# Altium PCB PCB_CAR.PcbDoc (part 3 of 3)
Units mil, origin at the board's own origin, x right, y up, seen from the top; angles counter-clockwise.
Board outline 3935 x 3900 mil, 4 copper layers (Top Layer, GND, PWR, Bottom Layer), stack 23.756 mil thick; 283 components, 268 nets, 1058 pads, 538 vias.
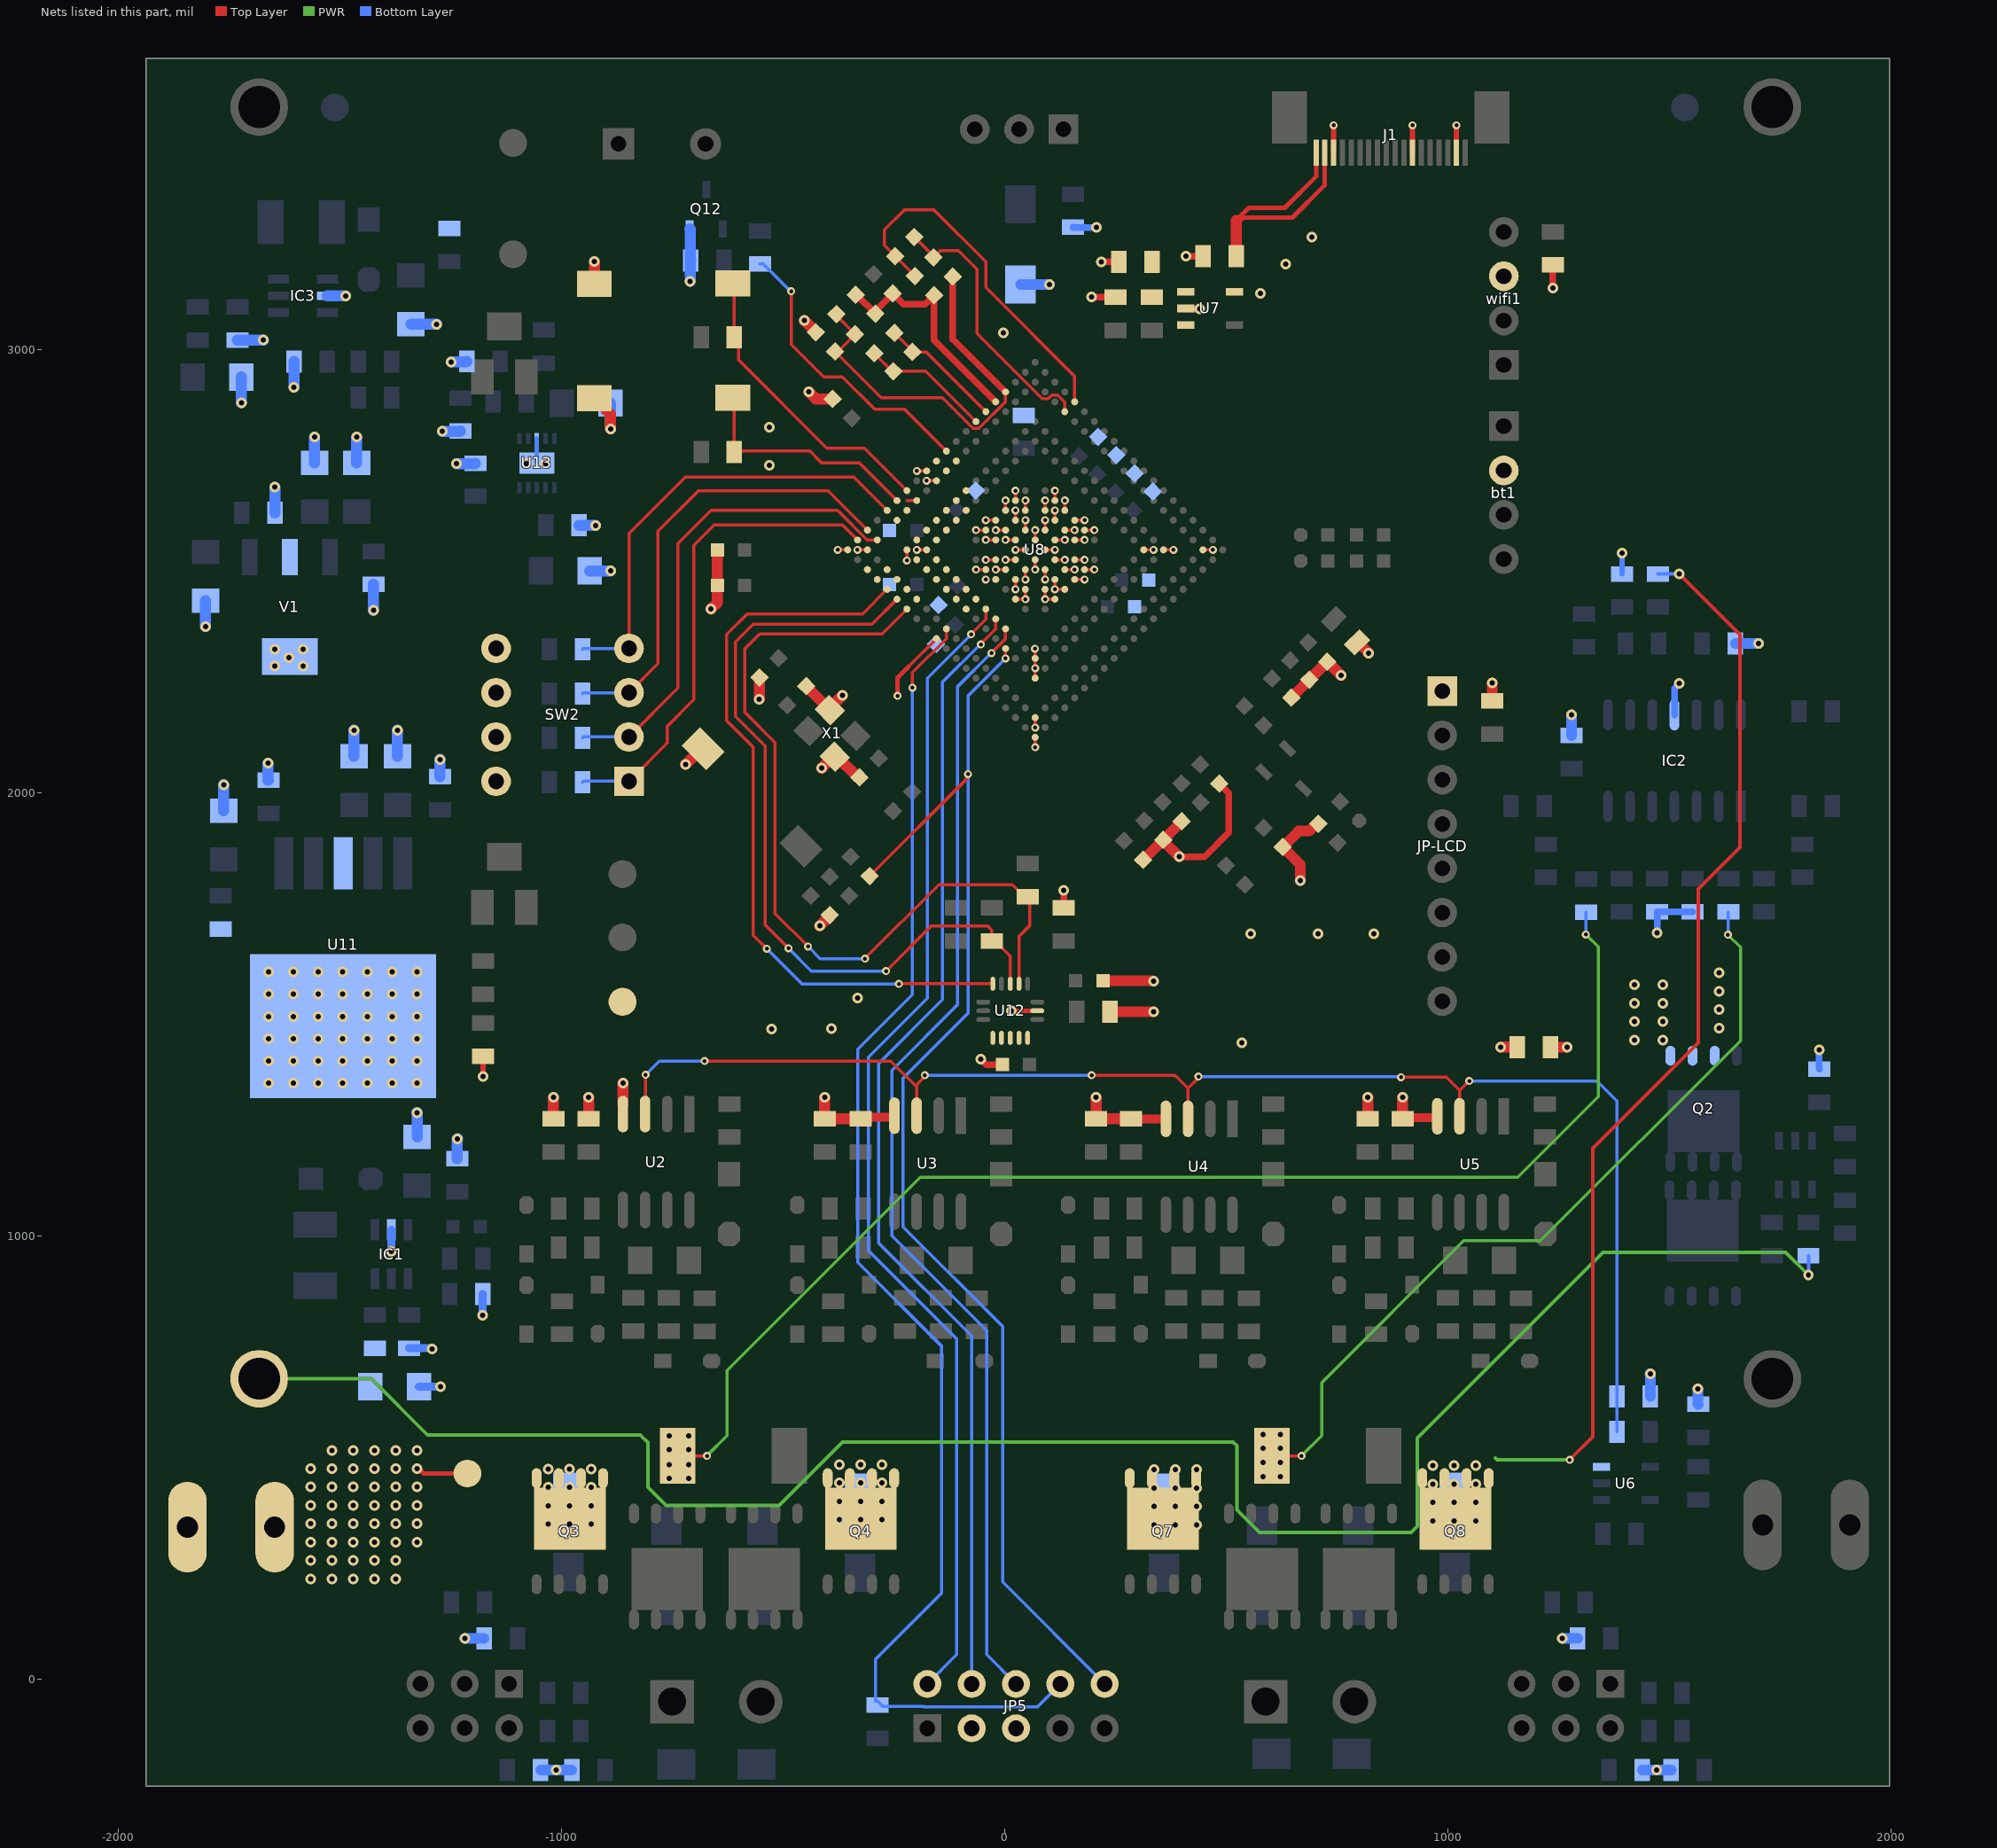
[diagram p5: the nets of this part, all layers, seen from the top]

## Via types
v1: diameter 24, hole 12, Top Layer to Bottom Layer, 381 vias
v2: diameter 18, hole 9, Top Layer to Bottom Layer, 157 vias

## Nets (pads, with @x,y where several pads share a name; then routed paths per layer and width w, separated by ;. In a path a pad name is that pad's centre, name@x,y a point inside that pad or via, vN(x,y) a via of type N, cw(c..) or ccw(c..) an arc to the next point about the centre after c; other vN are vias at no path point) (continued)
P21_7: JP5.6 U8.H16 | length 2604.2
  Top Layer w7: v2(-30.45,2315.63) -30.45,2315.81 1.47,2347.73 U8.H16@1.47,2370.53
  Bottom Layer w7: v2(-30.45,2315.63) -31.15,2315.63 -107.41,2239.37 -107.41,2175.75 -107.41,1521.59 -255,1374 -255,1000.6 -41.26,786.86 -41.26,55.26 JP5.6@25,-11
P22_0: R87.1 U8.P20 U12.2 | length 1931.1
  Top Layer w7: v2(-444.44,1653.41) -519.07,1728.04 -519.07,2114.07 -587.53,2182.53 -587.53,2325.19 -553.6,2359.12 -277.2,2359.12 U8.P20@-221.24,2415.07 ; v2(-315.81,1625.88) -315.81,1626.61 -149.33,1793.09 17.07,1793.09 44.16,1765.99 R87.1@51.66,1765.99 55.58,1762.08 55.58,1700.18 31.69,1676.29 U12.2@31.69,1569.34
  Bottom Layer w7: v2(-444.44,1653.41) -416.91,1625.88 v2(-315.81,1625.88)
P22_1: U8.P19
P22_2: R86.1 U8.R20 U12.3 | length 1814.9
  Top Layer w7: v2(-488.5,1649.48) -541.2,1702.18 -541.2,2105.7 -608.22,2172.72 -608.22,2340.69 -567.91,2381 -299.85,2381 U8.R20@-243.51,2437.34 ; v2(-268.11,1598.08) -166.01,1700.18 -39.18,1700.18 -29.67,1690.67 R86.1@-29.67,1665.99 -22.17,1665.99 12.01,1631.81 U12.3@12.01,1569.34
  Bottom Layer w7: v2(-488.5,1649.48) -437.1,1598.08 v2(-268.11,1598.08)
P22_3: U8.R19
P22_4: U8.P16
P22_5: U8.P17
P22_6: U8.N16
P22_7: U8.N17
P22_8: U8.M16
P22_9: U8.M17
P22_10: U8.L16
P22_11: U8.L17
P23_0: U8.V20
P23_1: U8.U19 | length 0.1
  Top Layer w7: U8.U19@-265.82,2502.42 U8.U19@-265.78,2502.46
P23_2: U8.U20
P23_3: U8.T19
P23_4: U8.T20 U12.5 | length 1694.3
  Top Layer w7: v2(-537.28,1648.3) -567.91,1678.93 -567.91,2103.28 -628,2163.37 -628,2357.91 -581.7,2404.22 -321.18,2404.22 U8.T20@-265.78,2459.61 ; v2(-239.44,1569.17) -239.36,1569.25 -27.45,1569.25 U12.5@-27.36,1569.34
  Bottom Layer w7: v2(-537.28,1648.3) -458.14,1569.17 v2(-239.44,1569.17)
P23_5: U8.T17
P23_6: U8.R17
P23_7: U8.R16
P32_2: R68.2 SW2.3 U8.Y18 | length 1045
  Top Layer w7: SW2.3@-848.42,2226.37 -783,2291.79 -783,2591 -691.68,2682.32 -399.41,2682.32 U8.Y18@-310.33,2593.24
  Bottom Layer w7: R68.2@-953.4,2224.26 -951.29,2226.37 SW2.3@-848.42,2226.37
P32_3: R66.2 SW2.1 U8.Y19 | length 1101.7
  Top Layer w7: SW2.1@-848.42,2026.37 -762.16,2112.62 -762.16,2150.45 -702,2210.61 -702,2559 -656,2605 -366.63,2605 U8.Y19@-332.6,2570.97
  Bottom Layer w7: R66.2@-953.4,2024.26 -951.29,2026.37 SW2.1@-848.42,2026.37
P32_4: R67.2 SW2.2 U8.W18 | length 1096.9
  Top Layer w7: SW2.2@-848.42,2126.37 -738,2236.79 -738,2563.09 -663.31,2637.78 -377.67,2637.78 -310.85,2570.97 U8.W18@-288.05,2570.97
  Bottom Layer w7: R67.2@-953.4,2124.26 -951.29,2126.37 SW2.2@-848.42,2126.37
P32_5: U8.T15
P32_6: U8.U15
P32_7: U8.U16
P33_0: U8.W10
P33_1: R78.2 U8.Y10 | length 666.2
  Top Layer w7: v2(-482.22,3132.53) -482.22,3012.22 -409,2939 -367,2939 -294.42,2866.42 -227.17,2866.42 U8.Y10@-132.16,2771.41
  Bottom Layer w7: R78.2@-553,3193.6 -545.5,3193.6 -484.43,3132.53 v2(-482.22,3132.53)
P33_2: U8.W11
P33_3: U8.Y11
P33_4: U8.W12 | length 22.3
  Top Layer w7: v2(-176.7,2704.59) U8.W12@-154.43,2704.59
P33_5: U8.Y12 | length 22.3
  Top Layer w7: v2(-198.97,2726.87) U8.Y12@-176.7,2726.87
P33_8: U8.W14 | length 22.3
  Top Layer w7: -221.24,2660.05 U8.W14@-198.97,2660.05
P33_9: R72.2 SW3.1 U8.Y14 | length 680.1
  Top Layer w7: SW3.1@-614.27,3149.84 -610.78,3146.35 R72.2@-610.78,3028.92 -601.38,3019.53 -601.38,2977.45 -402.24,2778.3 -317.22,2778.3 U8.Y14@-221.24,2682.32
P33_10: U8.W15
P33_11: R73.2 SW4.1 U8.Y15 | length 538.9
  Top Layer w7: SW4.1@-614.27,2892.04 -610.78,2888.55 -610.78,2771.81 R73.2@-610.78,2769.25 -608.22,2771.81 -440.3,2771.81 -413.55,2745.07 -328.53,2745.07 U8.Y15@-243.51,2660.05
P33_12: U8.W16
P33_13: R69.2 SW2.4 U8.Y16 | length 1031.6
  Top Layer w7: SW2.4@-848.42,2326.37 -848.42,2585.58 -721,2713 -341,2713 U8.Y16@-265.78,2637.78
  Bottom Layer w7: R69.2@-953.4,2324.26 -951.29,2326.37 SW2.4@-848.42,2326.37
P33_14: U8.T14
P33_15: U8.U14
P34_1: U8.U11
P34_2: U8.T12
P34_3: U8.U12
P34_4: U8.T13
P34_5: U8.U13
PB+: R2.2 U1.1 总电源.1 | length 4349.1
  PWR w8: U1.1@-1683,677.92 -1429.92,677.92 -1302.55,550.55 -822.43,550.55 -806.03,534.15 -806.03,433.33 -764.71,392.01 -509.84,392.01 -366.42,535.43 514.98,535.43 523.34,527.07 523.34,381.72 574.18,330.88 916.42,330.88 930.77,345.23 930.77,544.22 1349.75,963.2 1761.8,963.2 v1(1813.37,911.63)
  Bottom Layer w8: v1(1813.37,911.63) R2.2@1813.37,955.45
  Bottom Layer w15: v1(1813.37,911.63) v1@1815,910
PB-: bt1.2 C3.1 C3V3.1 C4.2 C5.2 C6.2 C8.1 C9.1 C10.2 C11.2 C12.1 C13.1 C14.1 C15.2 C33.2 C34.2 C35.2 C36.1 C37.1 C38.1 C39.1 C40.1 C41.2 C42.2 C43.1 C44.1 C45.2 C46.1 C47.2 C48.1 C49.2 C50.1 C51.2 C52.1 C53.1 C54.1 C55.1 C56.1 C57.1 C58.1 C59.2 C60.1 C61.2 C62.2 C63.2 C64.1 C65.1 C66.2 C67.2 C68.2 C69.2 C70.2 C76.1 C77.1 C84.2 C85.1 C86.1 C88.1 C131.1 D28.1 GND.1 IC2.11 IC3.2 J1.2 J1.7 J1.16 JP5.3 JP5.5 JP-LCD.1 L6.1 L7.1 L8.1 LB6.2 Q2.1 Q2.2 Q2.3 Q12.2 R3.1 R7.2 R10.2 R40.2 R41.2 R47.2 R50.2 R51.1 R59.2 R70.1 R79.2 R85.2 R89.2 R91.2 RC1.1 RES.1 RSH2.2 SW2.5 SW2.6 SW2.7 SW2.8 SW3.2 SW4.2 U6.3 U7.2 U8.A20 U8.B2 U8.B19 U8.D4 U8.D17 U8.E5 U8.E16 U8.G9 U8.G10 U8.G11 U8.G12 U8.H9 U8.H10 U8.H11 U8.H12 U8.J7 U8.J8 U8.J10 U8.J11 U8.J13 U8.J14 U8.K7 U8.K8 U8.K9 U8.K10 U8.K11 U8.K12 U8.K13 U8.L7 U8.L8 U8.L9 U8.L10 U8.L11 U8.L12 U8.L13 U8.L14 U8.L20 U8.M7 U8.M8 U8.M10 U8.M11 U8.M13 U8.M14 U8.N9 U8.N10 U8.N11 U8.N12 U8.P9 U8.P10 U8.P11 U8.P12 U8.T16 U8.U17 U8.W19 U8.Y20 U11.3 U11.6 U12.9 U12.10 U12.11 U12.12 U12.13 U12.15 U13.8 U13.11 V1.2 V1.4 wifi1.3 X1.2 X1.4 | length 5883.6
  Top Layer w7: v2(-377.14,2548.7) U8.Y20@-354.87,2548.7 ; v2(-332.6,2548.7) U8.W19@-310.33,2548.7 ; v2(-221.24,2524.73) U8.U17@-221.24,2547 ; -217.18,2285.51 U8.L20@-154.43,2348.26 ; v2(-198.97,2548.7) U8.T16@-176.7,2548.7 ; v2(-65.34,2504.15) U8.M14@-43.07,2504.15 ; v2(-65.34,2593.24) U8.P12@-43.07,2593.24 ; v2(-43.07,2526.43) U8.M13@-20.8,2526.43 ; v2(-43.08,2570.97) U8.N12@-20.8,2570.97 ; v2(-43.07,2615.51) U8.P11@-20.8,2615.51 ; v2(-20.8,2504.15) U8.L13@1.47,2504.15 ; v2(-20.8,2593.24) U8.N11@1.47,2593.24 ; v2(1.47,2526.43) U8.L12@23.74,2526.43 ; v2(1.47,2570.97) U8.M11@23.74,2570.97 ; U8.P10@1.47,2637.78 v2(1.47,2660.05) ; U8.J14@23.74,2437.34 v2(46.01,2437.34) U8.J13@46.01,2459.61 ; v2(23.74,2459.61) U8.K13@23.74,2481.88 ; v2(23.74,2548.7) U8.L11@46.01,2548.7 ; U8.N10@23.74,2615.51 v2(23.74,2637.78) ; U8.P9@23.74,2660.05 v2(23.74,2682.32) ; v2(46.01,2481.88) U8.K12@46.01,2504.15 ; U8.M10@46.01,2593.24 v2(46.01,2615.51) ; U8.N9@46.01,2637.78 v2(46.01,2660.05) ; v2(67.75,2325.45) 68.02,2325.19 68.02,2303.98 U8.E16@68.28,2303.72 U8.D17@68.28,2259.17 ; v2(68.28,2103.28) U8.A20@68.28,2125.55 ; v2(68.28,2147.82) U8.B19@68.28,2170.09 ; v2(68.28,2504.16) U8.K11@68.28,2526.43 ; U8.L10@68.28,2570.97 v2(68.28,2593.24) ; U8.H12@90.55,2459.61 v2(90.55,2437.34) U8.G12@112.82,2437.34 ; v2(90.55,2481.88) U8.J11@90.55,2504.15 ; U8.K10@90.55,2548.7 v2(112.82,2548.7) ; U8.L9@90.55,2593.24 v2(90.55,2615.51) ; U8.M8@90.55,2637.78 v2(90.55,2660.05) ; U8.H11@112.82,2481.88 v2(112.82,2459.61) U8.G11@135.1,2459.61 ; U8.J10@112.82,2526.43 v2(135.1,2526.43) ; U8.K9@112.82,2570.97 v2(135.1,2570.97) ; U8.L8@112.82,2615.51 v2(112.82,2637.78) ; U8.M7@112.82,2660.05 v2(112.82,2682.32) ; U8.H10@135.1,2504.15 v2(157.37,2504.15) ; U8.K8@135.1,2593.24 v2(157.37,2593.24) ; U8.L7@135.1,2637.78 v2(135.1,2660.05) ; U8.G10@157.37,2481.88 v2(179.64,2481.88) ; U8.H9@157.37,2526.43 v2(179.64,2526.43) ; U8.J8@157.37,2570.97 v2(179.64,2570.97) ; U8.K7@157.37,2615.51 v2(179.64,2615.51) ; U8.G9@179.64,2504.15 v2(201.91,2504.15) ; U8.J7@179.64,2593.24 v2(201.91,2593.24) ; U8.E5@313.26,2548.7 v2(335.54,2548.7) ; U8.D4@357.81,2548.7 v2(380.08,2548.7) ; U8.B2@446.89,2548.7 v2(469.16,2548.7)
  Top Layer w10: v2(-242.27,2219.06) -242.27,2260.41 -217.18,2285.51 ; 26.37,1506 28.69,1508.32 U12.15@73.03,1508.32
  Top Layer w12: v1(-1178.18,1359.89) RSH2.2@-1178.18,1405.66 ; J1.16@741.89,3445.47 v2(741.89,3506.89) v2@742,3507 ; J1.7@920.09,3445.47 v2(920.09,3506.89) ; J1.2@1019.09,3445.47 v2(1019.09,3506.89)
  Top Layer w15: v1(-54.21,1399) -42.21,1387 C65.1@-5.6,1387 ; C64.1@132.99,1740.8 v1(132.99,1780) ; v1(195.94,3119.3) C34.2@249.98,3119.3 ; v1(217.27,3199) C35.2@257,3199 ; v1(393.58,1855.97) 450.54,1855.97 505.46,1910.9 505.46,1999.4 R50.2@483.89,2020.97 ; U7.2@408.17,3093.57 409.48,3092.26 v1(439.95,3092.26) ; v1(408.17,3211.57) C33.2@446.89,3211.57 ; v1(1236.56,3139.31) C4.2@1236.56,3191.6
  Top Layer w24: C15.2@221.17,1576 334.86,1576 v1(335.13,1575.73) ; C63.2@236.79,1506 v1(335.54,1506) ; C59.2@312.01,1848.99 C59.2@312.01,1848.99 R40.2@399.04,1936.12 R40.2@399.04,1936.12 ; C62.2@357.4,1894.07 357.4,1892.16 v1(393.58,1855.97) ; C42.2@646.18,2215.02 C53.1@727.52,2296.36 758.58,2265.3 v1(758.73,2265.3) ; v1(667,1802) 667,1837.86 R41.2@626.93,1877.94 662.99,1914 686.64,1914 703.37,1930.73 R3.1@707.61,1930.73 ; C3V3.1@794.9,2339.79 796.94,2339.79 v1(821.09,2315.63) ; v1(1099.41,2248.54) 1099.48,2248.47 C84.2@1099.48,2207.67 ; RC1.1@1231.53,1426.45 v1(1268.65,1426.45)
  Top Layer w25: SW4.2@-926.58,2891.26 -916.74,2891.26 -899.71,2874.23 -899.71,2864.39 -889.89,2854.56 v1(-889.89,2821.74) ; SW3.2@-926.58,3149.05 v1(-926.58,3199.46) ; v1(-721,2064.58) -685.7,2099.88 RES.1@-681.25,2099.88 ; v1(-663.31,2415.07) -648.71,2429.67 C45.2@-648.71,2468 C47.2@-648.71,2548.7 ; v1(-554.44,2211.43) -554.11,2211.77 C49.2@-554.11,2260.83 ; v1(-452.77,3066.43) -426.71,3040.36 LB6.2@-426.71,3039.58 ; C41.2@-448.1,2241.34 -448.1,2240.73 X1.4@-395.23,2187.87 ; v1(-442.56,2905.03) -426.62,2889.09 C61.2@-388.7,2889.09 ; v1(-417.62,1700.18) -395.31,1722.49 C88.1@-395.31,1724.65 ; v1(-413.55,2056) -388.08,2081.48 X1.2@-384.1,2081.48 -378.3,2081.48 -331.84,2035.02 C51.2@-328.31,2035.02 ; X1.4@-395.23,2187.26 X1.4@-395.23,2187.87 ; v1(-366.63,2220.22) -395.23,2191.61 X1.4@-395.23,2187.87
  Bottom Layer w10: U13.11@-1056.32,2744.57 U13.8@-1056.32,2800.14
  Bottom Layer w12: R7.2@1393,2494.39 v1(1393,2541)
  Bottom Layer w15: L6.1@154,3276.6 154.23,3276.36 206.27,3276.36 v1(206.5,3276.13) ; v1(1472.12,1684.36) 1472.12,1731.37 R51.1@1471.9,1731.6 R70.1@1552.26,1731.6 ; IC2.11@1511,2176.34 1511,2236 v1(1522,2247) ; v1(1837.5,1420.33) 1837.5,1377.6 R10.2@1838.34,1376.76
  Bottom Layer w24: v1(-1219,92) L7.1@-1175.4,92 ; C76.1@-1048.06,-205.13 C77.1@-977.46,-205.13 ; D28.1@35,3147.45 99.68,3147.45 v1(100.2,3147.97) ; v1(1258,92) L8.1@1292.6,92 ; C3.1@1279,2129.8 v1(1279,2176.34) ; C85.1@1438.49,-205.13 C86.1@1503.68,-205.13 ; v1@1456.21,689 v1(1456.37,688.84) R47.2@1456.37,638.29 ; v1(1564,655) 1564,621.15 R59.2@1564.75,620.4 ; C70.2@1648.37,2337 v1(1701,2337)
  Bottom Layer w25: v1(-1804,2375.61) C36.1@-1804,2433.88 ; C8.1@-1763,1960.23 v1(-1763,2018.5) ; C11.2@-1732,3022.2 v1(-1673.73,3022.2) ; v1(-1723,2880.73) C10.2@-1723,2939 ; v1(-1662.9,2067.15) -1662.9,2029.31 C9.1@-1662,2028.4 ; C37.1@-1647.54,2632.14 v1(-1647.54,2690.41) ; v1(-1604.4,2915.73) R85.2@-1604.4,2974 ; C40.1@-1558.06,2745.06 v1(-1558.05,2803.33) ; IC3.2@-1528.88,3122 -1528.48,3121.6 v1(-1487.96,3121.6) ; C13.1@-1469,2083.12 v1(-1469,2141.39) ; C39.1@-1462.98,2745.06 v1@-1462.98,2803.33 ; v1(-1425.01,2412.33) C38.1@-1425,2470.6 ; C14.1@-1371,2083.12 v1(-1371,2141.38) ; C5.2@-1340.66,3057.88 v1(-1282.39,3057.87) ; C12.1@-1274.97,2037.03 v1(-1274.97,2075.51) ; v1(-1269.33,2816.38) -1229.22,2816.38 R91.2@-1229,2816.6 ; v1(-1249.35,2972.94) -1215.18,2972.94 C69.2@-1214.08,2974.03 ; v1(-1237.45,2743.1) -1196.31,2743.1 R89.2@-1195,2744.4 ; C67.2@-961.02,2604.18 -960.37,2603.53 v1(-923.87,2603.53) ; C66.2@-936.89,2501 v1(-889.89,2501) ; v1@-889.89,2821.74 C68.2@-889.89,2880 ; Q12.2@-711.4,3273 -710.4,3272 -710.4,3203 R79.2@-709.4,3202 -710.4,3201 v1(-710.4,3154.6)
  other v1: -1012.76,-205.13 1471.09,-205.13 -1662,1344.78 -1606.14,1344.78 -1550.27,1344.78 -1494.41,1344.78 -1438.55,1344.78 -1382.68,1344.78 -1326.82,1344.78 -1662,1395.03 -1606.14,1395.03 -1550.27,1395.03 -1494.41,1395.03 -1438.55,1395.03 -1382.68,1395.03 -1326.82,1395.03 534.8,1435.77 1421,1442.51 1484.37,1442.51 -1662,1445.27 -1606.14,1445.27 -1550.27,1445.27 -1494.41,1445.27 -1438.55,1445.27 -1382.68,1445.27 -1326.82,1445.27 -527,1466.92 -391.44,1468.48 1612,1469.51 1421,1484.01 1484.37,1484.01 -1662,1495.51 -1606.14,1495.51 -1550.27,1495.51 -1494.41,1495.51 -1438.55,1495.51 -1382.68,1495.51 -1326.82,1495.51 14.3,1508.32 1612,1511.01 1421,1525.5 1484.37,1525.5 -332.45,1536.92 -1662,1545.75 -1606.14,1545.75 -1550.27,1545.75 -1494.41,1545.75 -1438.55,1545.75 -1382.68,1545.75 -1326.82,1545.75 1612,1552.5 1421,1567 1484.37,1567 1612,1594 -1662,1596 -1606.14,1596 -1550.27,1596 -1494.41,1596 -1438.55,1596 -1382.68,1596 -1326.82,1596 554.71,1682.13 706.31,1682.13 833.02,1682.13 -1647.54,2286 -1584.01,2285.99 -1615.81,2304.97 -1647.54,2324.26 -1584,2324.25 -531.69,2739.07 -1079.24,2743.68 -1037.12,2743.28 -1462.98,2803.33 -531.69,2825.16 -3.72,3038.41 576.93,3127.61 633.72,3193.81 692.86,3254.84
  other v2: 68.02,2281.71 -43.07,2481.88
PGND: C18.1 C19.1 C20.1 C21.1 C24.1 C25.1 C26.1 C27.1 C28.2 C29.2 C31.2 C32.2 IC1.2 R44.2 R63.1 R64.2 R75.1 R76.2 RC1.2 U2.4 U3.4 U4.4 U5.4 | length 5827.4
  Top Layer w7: R63.1@-738.98,504.01 v2(-672.54,504.01) ; R75.1@603.02,504.01 v2(669.46,504.01)
  Top Layer w20: C20.1@-326,1264.4 -322.38,1268.03 -251.01,1268.03 -249.33,1269.71 U3.4@-249.33,1271.66 ; C24.1@285,1264.4 285.12,1264.53 363.2,1264.53 U4.4@363.33,1264.66 ; C26.1@897.39,1264.4 900.33,1267.34 974.33,1267.34 976,1269.01 U5.4@976,1270.27
  Top Layer w25: C18.1@-1019,1264.4 v1(-1019,1312.94) ; C19.1@-939.61,1264.4 v1(-939.61,1312.94) ; U2.4@-862,1296.25 v1(-862,1344.79) ; v1(-407,1312.94) C21.1@-407,1264.4 C20.1@-326,1264.4 ; v1(206,1312.94) C25.1@206,1264.4 C24.1@285,1264.4 ; C27.1@819,1264.4 v1(819,1312.94) ; C26.1@897.39,1264.4 v1(897.39,1312.94) ; v1(1119.08,1426.45) RC1.2@1156.73,1426.45
  PWR w7: v2(-672.54,504.01) -627,549.55 -627,696.82 -190.82,1133 1157,1133 1339,1315 1339,1652.48 v2(1311.22,1680.26) ; v2(669.46,504.01) 715,549.55 715,669 1035.5,989.5 1208.5,989.5 1660,1441 1660,1651.58 v2(1631.48,1680.1)
  Bottom Layer w7: v2@1309,1677 1311.74,1679.74 R64.2@1311.74,1730.76 ; v2@1632,1679.58 R76.2@1632,1730.6
  Bottom Layer w18: IC1.2@-1384.62,1014.09 v1(-1384.62,965.45) v1@-1383.97,964.8 ; C32.2@-1344.62,746.57 -1293.82,746.57 v1@-1291.08,743.83 ; C31.2@-1322.46,660.03 v1(-1274.19,660.03) ; v1(-1178.65,821.37) R44.2@-1178.65,868.97
  Bottom Layer w25: v1(-1326.81,1278.53) -1326.52,1278.24 C28.2@-1326.52,1223.75 ; C29.2@-1236.24,1174.49 -1236.24,1218.33 v1(-1235.34,1219.22)
  other v1: -758.07,453.23 -713.78,453.23 583.05,457.1 621.42,457.1 -758.07,484.09 -713.78,484.09 583.05,488.84 621.42,488.84 -758.07,517.85 -713.78,517.85 583.05,520.59 621.42,520.59 -758.07,548.71 -713.78,548.71 583.05,552.34 621.42,552.34 -1292.45,745.2
RST: JP5.10 R8.2 U8.G17 | length 2943.1
  Top Layer w7: R8.2@-305.17,1812.71 -85.59,2032.3 -85.59,2040.59 v2(-83.48,2042.69) ; v2(1.47,2303.72) U8.G17@1.47,2325.99
  Bottom Layer w7: v2(1.47,2303.72) -83.48,2218.76 v2(-83.48,2042.69) -83.48,1502.81 -230,1356.29 -230,1020.67 -5.32,795.99 -5.32,219.32 JP5.10@225,-11
SD1: R46.2 R47.1 U2.3 U3.3 U4.3 U5.3 | length 3338
  Top Layer w7: U2.3@-812,1275.27 -811.5,1275.77 -811.5,1363.5 v2(-811,1364) ; v2(-678,1395) -258,1395 -199.33,1336.33 ; U3.3@-199.33,1271.66 -199.33,1336.33 ; v2(-180.83,1362.86) -180.83,1359.89 -199.33,1341.39 -199.33,1336.33 ; v2(195.94,1362.86) 384.02,1362.86 413.33,1333.56 ; U4.3@413.33,1264.66 413.33,1333.56 ; v2(437,1359.89) 437,1357.22 413.33,1333.56 ; v2(893.71,1358.6) 996.4,1358.6 1026,1329 ; U5.3@1026,1270.27 1026,1329 ; v2(1047.82,1350.03) 1047.03,1350.03 1026,1329
  Bottom Layer w7: v2(-811,1364) -780,1395 v2(-678,1395) ; v2(-180.83,1362.86) v2(195.94,1362.86) ; v2(437,1359.89) 437.64,1359.25 893.07,1359.25 v2(893.71,1358.6) ; v2(1047.82,1350.03) 1335.97,1350.03 1381.57,1304.43 R46.2@1381.57,558.29
TCK: JP5.4 U8.J16 | length 2601.1
  Top Layer w7: v2(-54.21,2335) -54.21,2336.59 -20.8,2370 U8.J16@-20.8,2392.8
  Bottom Layer w7: JP5.4@-75.25,-10.75 -75.25,774.25 -285,984 -285,1389.27 -140.91,1533.36 -140.91,2209.24 -140.91,2250.42 -56.33,2335 v2(-54.21,2335)
TMS: JP5.2 U8.K16 | length 2665.7
  Top Layer w7: v2(-76.23,2357.91) -76.23,2359.12 -43.07,2392.27 U8.K16@-43.07,2415.07
  Bottom Layer w7: JP5.2@-175,-31 JP5.2@-175,-11 -108.82,55.18 -108.82,768 -308,967.18 -308,1404 -175,1537 -175,2243.33 -175,2259.16 v2(-76.23,2357.91)
TRST: JP5.8 R49.1 U8.L19 | length 3085.7
  Top Layer w7: v2(-208.78,2237.56) -208.78,2271.63 -132.16,2348.26 U8.L19@-132.16,2370.53
  Bottom Layer w7: R49.1@-291.76,-49.42 -291.76,44.89 -143.53,193.12 -143.53,752.17 -332,940.64 -332,1422 -209.1,1544.9 v2@-209.1,2242.33 ; R49.1@-287.4,-49.42 -274.77,-62.05 -183.34,-62.05 -183.24,-62.15 73.85,-62.15 JP5.8@125,-11
VAGND1: C91.1 R54.1 U8.Y7 | length 293.4
  Top Layer w7: R54.1@-294.98,2992.15 -254.6,2951.78 C91.1@-252.04,2951.78 -178.9,2951.78 U8.Y7@-65.34,2838.22
VAGND2: C92.1 R56.1 U8.T2 | length 622.6
  Top Layer w7: C92.1@-204.59,3254.84 -161.25,3211.49 R56.1@-161.25,3208.64 -145.56,3224.32 -105.14,3224.32 -63,3182.18 -63,3036.85 84.19,2889.66 97.45,2889.66 105.93,2898.14 119.19,2898.14 135.1,2882.23 U8.T2@135.1,2860.49
VAREF1: C91.2 R53.2 U8.Y6 | length 281.5
  Top Layer w7: R53.2@-249.09,3038.41 -208.78,2998.1 C91.2@-208.78,2995.04 -177.62,2995.04 U8.Y6@-43.07,2860.49
VAREF2: C92.2 R55.2 U8.T1 | length 827.8
  Top Layer w7: R55.2@-203.08,3166.8 -272,3235.72 -272,3271 -227.34,3315.66 -159.73,3315.66 -43.07,3199 -43.07,3141.07 157.37,2940.63 157.37,2905.03 U8.T1@157.37,2882.76
VCC3V3_CA: C33.1 J1.17 J1.18 U7.5 | length 667.3
  Top Layer w10: 521.69,3282.53 537.73,3298.57 648.57,3298.57 722.09,3372.09 J1.17@722.09,3445.47 ; 521.69,3292.15 550.12,3320.58 631.58,3320.58 702.29,3391.29 J1.18@702.29,3445.47
  Top Layer w25: C33.1@521.69,3211.57 521.69,3292.15
VCC_5V: C35.1 LB1.2 U7.1 U7.3
VDDM: C90.2 LB2.2 R53.1 R55.1 U8.Y5 | length 534.6
  Top Layer w15: C90.2@-337,3124.23 -334.91,3124.23 R53.1@-292.35,3081.67 -292.35,3088.25 LB2.2@-253.18,3127.42 -228.76,3103 -180.36,3103 R55.1@-159.82,3123.54 -159.82,3021.78 U8.Y5@-20.8,2882.76
VIN: 8V.1 C31.1 D5.2 D6.2 D16.2 D17.2 L3.1 LB4.1 Q3.5 Q3.6 Q3.7 Q3.8 Q3.9 Q4.5 Q4.6 Q4.7 Q4.8 Q4.9 Q7.5 Q7.6 Q7.7 Q7.8 Q7.9 Q8.5 Q8.6 Q8.7 Q8.8 Q8.9 R1.1 总电源.2 | length 2551.9
  Top Layer w8: v2(1274.28,494.65) 1326.52,546.89 1326.52,1198.52 1564.47,1436.47 1564.47,1783.43 1658.74,1877.7 1658.74,2357.66 v1(1522,2494.39)
  Top Layer w10: v1(-1326.52,475) -1322.73,475 -1311.72,464 8V.1@-1213,464
  PWR w8: 1106.48,499.03 1110.85,494.65 v2(1274.28,494.65)
  Bottom Layer w8: R1.1@1473.4,2494.4 v1(1522,2494.39)
  other v1: -1567.25,226.03 -1519.1,226.03 -1470.96,226.03 -1422.81,226.03 -1374.66,226.03 -1567.25,267.52 -1519.1,267.52 -1470.96,267.52 -1422.81,267.52 -1374.66,267.52 -1567.25,309.02 -1519.1,309.02 -1470.96,309.02 -1422.81,309.02 -1374.66,309.02 -1326.52,309.02 336.45,348.22 384.6,348.22 432.74,348.22 -1567.25,350.52 -1519.1,350.52 -1470.96,350.52 -1422.81,350.52 -1374.66,350.52 -1326.52,350.52 -1030.37,349.91 -982.22,349.91 -934.08,349.91 965.98,357.41 1014.13,357.41 1062.28,357.41 -373.38,359.55 -325.23,359.55 -277.09,359.55 336.45,389.72 384.6,389.72 432.74,389.72 -1030.37,391.41 -982.22,391.41 -934.08,391.41 -1567.25,392.01 -1519.1,392.01 -1470.96,392.01 -1422.81,392.01 -1374.66,392.01 -1326.52,392.01 965.98,398.91 1014.13,398.91 1062.28,398.91 -373.38,401.05 -325.23,401.05 -277.09,401.05 336.45,431.21 384.6,431.21 432.74,431.21 -1567.25,433.51 -1519.1,433.51 -1470.96,433.51 -1422.81,433.51 -1374.66,433.51 -1326.52,433.51 -1030.37,432.9 -982.22,432.9 -934.08,432.9 965.98,440.4 1014.13,440.4 1062.28,440.4 -373.38,442.54 -325.23,442.54 -277.09,442.54 336.45,472.71 384.6,472.71 432.74,472.71 -1030.37,474.4 -982.22,474.4 -934.08,474.4 -1567.25,475 -1519.1,475 -1470.96,475 -1422.81,475 -1374.66,475 965.98,481.9 1014.13,481.9 1062.28,481.9 -373.38,484.04 -325.23,484.04 -277.09,484.04 -1519.1,516.5 -1470.96,516.5 -1422.81,516.5 -1374.66,516.5 -1326.52,516.5
VSSM: C90.1 LB6.1 R54.2 R56.2 U8.Y4 | length 937.7
  Top Layer w7: C90.1@-380.26,3080.97 -380.26,3077.44 R54.2@-338.24,3035.41 -377.33,2996.32 LB6.1@-383.45,2996.32 -279.16,2892.04 -140.91,2892.04 -71.71,2822.85 -58.98,2822.85 1.47,2883.29 U8.Y4@1.47,2905.03
  Top Layer w15: R56.2@-117.98,3165.38 -117.98,3024.49 U8.Y4@1.47,2905.03
pads on no net: IC1.6 IC3.6 J1.0 JP8.5 JP8.6 JP9.5 JP9.6 U7.4 U8.A1 U8.G16 U8.K14 U8.L4 U8.L5 U8.M1 U8.M2 U8.M4 U8.M5 U8.N1 U8.N2 U8.N4 U8.N5 U8.P1 U8.P2 U8.P4 U8.P5 U8.R1 U8.R2 U8.R4 U8.R5 U8.T4 U8.T5 U8.T6 U8.T7 U8.T8 U8.T9 U8.U1 U8.U2 U8.U4 U8.U5 U8.U6 U8.U7 U8.U8 U8.U9 U8.U10 U8.V1 U8.V2 U8.W1 U8.W3 U8.W4 U8.W6 U8.W7 U8.W9 U8.W17 U8.Y1 U8.Y2 U8.Y3 U8.Y8 U8.Y9 U8.Y17 U12.6 U12.7 U12.8 U13.6

## Polygon pours and split planes (outlines as drawn)
3.3V on PWR "3.3V_L03_P008" (solid, remove dead copper, pour order 8): -1924,3627 1969,3627 1969,-223 -1924,-223
1.3V on PWR "1.3V_L03_P000" (solid, remove dead copper, pour order 0): -996,3091 -884,3091 -731,2938 -561,2938 -398,2775 -95,2775 7.13,2877.13 172.46,2877.13 402.35,2647.25 402.35,2424.24 149.11,2171 -34.97,2171 -667.97,2804 -782,2804 -782,2807.45 -1005,3030.45 -1005,3083
+5V on PWR "+5V_L03_P007" (solid, remove dead copper, pour order 7): -1859,2805 -1859,2911 -1401,2911 -1048,3264 79.48,3264 224.18,3119.3 224.18,3035.18 193,3004 166.97,3004 22.97,3148 -967,3148 -1328,2787 -1839,2787
VIN on PWR "VIN_L03_P001" (solid, remove dead copper, pour order 1): 1102.29,548.71 1125,526 1125,221.06 1094.94,191 -1560,191 -1587,218 -1587,528.96 -1567.25,548.71
VIN on GND "VIN_L02_P014" (solid, remove dead copper, pour order 14): 1214,565.86 1214,239 1119.83,144.83 -1640.58,144.83 -1704,208.25 -1704,513.5 -1602.46,615.04 -1369.04,615.04 -1307,553 -1293.04,566.96 1211.82,566.96
PB- on GND "PB-_L02_P006" (solid, remove dead copper, pour order 6): -1935.8,3654.38 -1934.8,3653.38 1996.2,3653.38 1996.2,-244.62 1995.2,-245.62 -1937.8,-245.62
PGND on GND "PGND_L02_P003" (solid, remove dead copper, pour order 3): -1659,560 -841.97,560 -811,529.03 -811,431.73 -788.6,409.34 649.88,409.34 694.73,454.19 694.73,553.73 719,578 1214,578 1214,1359 1183,1390 1183,1461 1008,1461 1008,1344 -729,1344 -729,1426 -1002,1426 -1130,1298 -1422.81,1298 -1422.81,1189 -1659,1189
PB- on Top Layer "PB-_L01_P011" (solid, remove dead copper, pour order 11): -1936,3658 -1935,3657 1996,3657 1996,-241 1995,-242 -1938,-242
PGND on Top Layer "PGND_L01_P009" (solid, remove dead copper, pour order 9): 1008,1461 1008,1344 -729,1344 -729,1426 -1002,1426 -1130,1298 -1422.81,1298 -1422.81,1189 -1659,1189 -1659,176 1214,176 1214,1359 1183,1390 1183,1461
PB- on Bottom Layer "PB-_L04_P012" (solid, remove dead copper, pour order 12): -1936,3658 -1935,3657 1996,3657 1996,-241 1995,-242 -1938,-242
PGND on Bottom Layer "PGND_L04_P010" (solid, remove dead copper, pour order 10): 1008,1461 1008,1344 -729,1344 -729,1426 -1002,1426 -1130,1298 -1422.81,1298 -1422.81,1189 -1659,1189 -1659,176 1214,176 1214,1359 1183,1390 1183,1461

## Other copper
Top Layer:
  pour cut-out: -180,3657 -180,3282.53 -457.22,3282.53 -457.22,3657
  pour cut-out: 1546.51,18.12 1996.36,18.12 1996.36,-241.88 1546.51,-241.88
  pour cut-out: -1938,18 -1488.15,18 -1488.15,-242 -1938,-242
  pour cut-out: 520.83,3657 520.83,3282.53 243.61,3282.53 243.61,3657
  region net VCC_5V: 356,3224 356,3159.85 371.37,3144.49 430.32,3144.49 434.77,3140.04 434.77,3121.87 431.44,3118.53 370.62,3118.53 364.69,3112.6 364.69,3098.14 359.5,3092.94 306.85,3092.94 301.28,3098.51 301.28,3221.98 305.91,3226.61 353,3226.61
  region net VCC_5V: 430.32,3144.49 476.13,3144.49 483.15,3137.47 483.15,3056.13 474.28,3047.26 420.28,3047.26 412.89,3054.65 422.92,3064.68 448.26,3064.68 465.04,3081.47 465.04,3112.14 458.66,3118.53 429.95,3118.53
  region net VIN: 1086.94,502.05 1107.81,481.19 1107.81,301.09 1089.84,283.12 938.84,283.12 929,292.96 929,490.6 940.45,502.05
  region net VIN: 425.99,505.09 446.86,484.22 446.86,304.12 428.89,286.16 277.89,286.16 268.05,296 268.05,493.63 279.5,505.09
  region net VIN: -255.63,504.51 -234.76,483.64 -234.76,303.55 -252.73,285.58 -403.74,285.58 -413.58,295.42 -413.58,493.05 -402.12,504.51
  region net VIN: -915.02,500 -894.15,479.13 -894.15,299.04 -912.12,281.07 -1063.13,281.07 -1072.97,290.91 -1072.97,488.55 -1061.51,500
  region net +15V: -1073.51,1232 -1049.52,1208.01 -748.57,1208.01 -726.87,1229.7 -726.87,1318.13 -714.61,1330.4 -545.75,1330.4 -482,1266.65 -482,1228.37 -464.3,1210.68 -123.39,1210.68 -111.01,1223.05 -111.01,1312.94 -82.56,1341.39 39.91,1341.39 173.98,1207.32 485.44,1207.32 498.82,1220.7 498.82,1314.92 525.29,1341.39 677.67,1341.39 812.18,1206.88 1092.88,1206.88 1114,1228 1114,1312 1145,1343 1269.56,1343 1279,1333.56 1279,1289 1257,1267 1253.73,1270.27 1153.27,1270.27 1136,1253 1136,1176 1104.04,1144.04 775.3,1144.04 647.52,1271.82 554.05,1271.82 539.51,1257.28 539.51,1178.05 501.04,1139.58 156.97,1139.58 31.89,1264.66 -52.42,1264.66 -69.84,1247.23 -69.84,1167.26 -97.52,1139.58 -498.35,1139.58 -541.2,1182.43 -541.2,1241 -564.6,1264.4 -653.7,1264.4 -685.7,1232.4 -685.7,1185.3 -731.42,1139.58 -1131.58,1139.58 -1148.42,1156.42 -1148.42,1225.58 -1142,1232
  region net VCC3V3_CA: 497,3131 497,3290.97 531.64,3325.61 557.37,3325.61 557.37,3141.52 537.73,3121.88 497.07,3121.88
  region net PB+: -1599,540 -1639,500 -1711,500 -1747,464 -1747,237 -1777,207 -1896,207 -1914,225 -1914,729 -1872,771 -1685.15,771 -1599,684.85
  region net 3.3V: 145,1571.72 145,1449.79 147.49,1447.3 177.01,1447.3 180.76,1451.06 180.76,1574.25 173.21,1586.47 168.83,1588.73
  region net BAT_GND: 1806,638 1806,849 1753,902 1550,902 1535,887 1535,783 1569,749 1623,749 1650.04,721.96 1650.04,634.83 1679.87,605 1790.47,605 1805.87,620.4
  region net NetD23_1: 542.73,407 694.73,407 694.73,353.09 711.81,336 746.73,336 757.73,347 757.73,407 815.73,407 815.73,565 895.48,565 898.37,562.11 898.37,315 542.73,315
  region net NetD12_1: -800,407 -648,407 -648,353.09 -630.91,336 -596,336 -585,347 -585,407 -527,407 -527,565 -447.25,565 -444.36,562.11 -444.36,315 -800,315
  region net NetC17_1: -285,239.86 -382.86,239.86 -444.36,301.36 -648,301.36 -648,-70.23 -615.83,-102.4 -396.91,-102.4 -332.57,-38.06 -332.57,52.43 -285,100
  region net NetC23_1: 1054.55,239.86 956.68,239.86 895.19,301.36 691.55,301.36 691.55,-70.23 723.72,-102.4 942.63,-102.4 1006.98,-38.06 1006.98,52.43 1054.55,100
  region net NetC22_1: 272.16,219 272.16,239.86 408.89,239.86 408.89,184.52 419.96,173.44 482.6,173.44 495.59,186.44 495.59,301.36 669.9,301.36 669.9,-74.65 644.55,-100 497.55,-100 432.55,-35 432.55,20 411.55,41 358.55,41 330.55,69 330.55,125 272.16,183.38 272.16,187.25
  region net NetC16_1: -1067.39,219 -1067.39,239.86 -930.66,239.86 -930.66,184.52 -919.58,173.44 -856.95,173.44 -843.95,186.44 -843.95,301.36 -669.65,301.36 -669.65,-74.65 -695,-100 -842,-100 -907,-35 -907,20 -928,41 -981,41 -1009,69 -1009,125 -1067.38,183.38 -1067.38,187.25
Bottom Layer:
  pour cut-out: -1938,18 -1488.15,18 -1488.15,-242 -1938,-242
  pour cut-out: 1546.51,18.12 1996.36,18.12 1996.36,-241.88 1546.51,-241.88
  pour cut-out: 520.83,3657 520.83,3282.53 243.61,3282.53 243.61,3657
  pour cut-out: -180,3657 -180,3282.53 -457.22,3282.53 -457.22,3657
  region net NetR9_2: 1378,3477 1376,3479 1376,3616 1817,3616 1817,3478 1818,3477
  region net NetTPC1_1: -1329,3619 -1327,3617 -1327,3480 -1768,3480 -1768,3618 -1769,3619
  region net NetC23_1: 858.98,237.21 873.98,222.21 873.98,133.21 845.98,105.21 741.97,105.21 714.98,132.21 714.98,229.21 722.98,237.21
  region net NetC22_1: 651.44,235.82 666.44,220.82 666.44,131.82 638.44,103.83 534.43,103.83 507.44,130.82 507.44,227.82 515.44,235.82
  region net NetD23_1: 859,405.1 874,390.1 874,301.1 846,273.11 742,273.11 715,300.1 715,397.1 723,405.1
  region net NetD23_1: 650.94,407.01 665.94,392.01 665.94,303.01 637.95,275.01 533.94,275.01 506.94,302.01 506.94,399.01 514.94,407.01
  region net NetD12_1: -476.54,403.36 -461.54,388.36 -461.54,299.36 -489.54,271.37 -593.55,271.37 -620.54,298.36 -620.54,395.36 -612.54,403.36
  region net NetD12_1: -702.26,407.1 -687.26,392.1 -687.26,303.1 -715.26,275.1 -819.27,275.1 -846.26,302.1 -846.26,399.1 -838.26,407.1
  region net NetC17_1: -476,229.69 -461,214.69 -461,125.69 -489,97.7 -593,97.7 -620,124.69 -620,221.69 -612,229.69
  region net NetC16_1: -702,224 -687,209 -687,120 -715,92 -819,92 -846,119 -846,216 -838,224
  region net VIN: -1422,598 -1389,565 -1310.11,565 -1291.08,545.97 -1291.08,289.11 -1372.13,208.06 -1483.69,208.06
  region net NetC23_1: 929.4,188.97 929.4,307.24 943.25,321.09 1097.31,321.09 1113.23,305.17 1113.23,182.49 1093.09,162.36 956.01,162.36
  region net VIN: 929.4,367.02 929.4,485.28 943.25,499.14 1097.31,499.14 1113.23,483.22 1113.23,360.54 1093.09,340.4 956.01,340.4
  region net VIN: 323,480 443,480 483.75,439.25 483.75,343.14 457.49,316.87 334.13,316.87 324,327
  region net NetC22_1: 315.85,171.42 315.85,289.68 329.7,303.54 483.75,303.54 499.67,287.62 499.67,164.94 479.54,144.81 342.46,144.8
  region net NetC17_1: -414.27,184.75 -414.27,303.02 -400.41,316.87 -246.36,316.87 -230.44,300.95 -230.44,178.27 -250.57,158.14 -387.65,158.14
  region net VIN: -416.2,361.82 -416.2,480.08 -402.34,493.94 -248.29,493.94 -232.37,478.02 -232.37,355.34 -252.51,335.2 -389.59,335.2
  region net NetC16_1: -1072.62,184.45 -1072.62,302.71 -1058.76,316.57 -904.71,316.57 -888.79,300.65 -888.79,177.97 -908.92,157.83 -1046,157.83
  region net VIN: -1073,365.42 -1073,483.68 -1059.14,497.54 -905.09,497.54 -889.17,481.62 -889.17,358.94 -909.31,338.81 -1046.39,338.8
  region net PB+: -1599,540 -1639,500 -1711,500 -1747,464 -1747,237 -1777,207 -1896,207 -1914,225 -1914,729 -1872,771 -1685.15,771 -1599,684.85
  region net VIN: -1629,454 -1566.5,516.5 -1566.5,680 -1817.7,931.2 -1817.7,1711 -1745,1711 -1745,964.85 -1551.15,771 -1448.79,771 -1448.79,464.27 -1490.5,422.55
  region net +15V: -1447,1078 -1157.04,1078 -1092,1143.04 -1092,1226 -1102,1236 -1144.2,1236 -1155.48,1224.72 -1155.48,1155.33 -1178.31,1132.5 -1274.19,1132.5 -1307.97,1166.28 -1454.09,1166.28 -1469.21,1151.17 -1469.21,1092.21 -1454.89,1077.9
  region net NetD27_1: -1413,991 -1598,991 -1612.22,1005.22 -1612.22,1139.78 -1597,1155 -1540,1155 -1529.9,1144.9 -1529.9,1077.9 -1510,1058 -1428,1058 -1413,1043
  region net NetC32_1: -1395,868.47 -1407.47,856 -1487,856 -1519.1,888.1 -1599,888.1 -1599,886.6 -1606.25,879.35 -1606.25,849.25 -1560,803 -1321,803 -1311,813 -1311,923 -1317,929 -1391,929 -1395,925
  region net VIN: -1405,681 -1405,709 -1391.73,722.27 -1391.73,765.38 -1397.35,771 -1448.79,771 -1461,758.79 -1461,685.05 -1444.35,668.4
  region net 1.3V: -1068,3066.94 -1050.34,3084.6 -862.6,3084.6 -836,3058 -836,3034.61 -848.42,3022.2 -1068,3022.2
  region net +6V: -1459,3159 -1459,3198.27 -1421.55,3235.72 -1243.39,3235.72 -1229,3221.33 -1229,3150.02 -1247.01,3132 -1447.23,3132 -1459.4,3144.17
  region net NetD1_1: -1504.9,3158.64 -1504.9,3211.44 -1456.34,3260 -1410,3260 -1410,3324.45 -1428.55,3343 -1546.27,3343 -1552.07,3337.2 -1552.07,3150.55
  region net NetC11_1: -1614,3132 -1614,3075.4 -1622.88,3066.52 -1851.27,3066.52 -1863.38,3078.62 -1863.38,3295.62 -1816,3343 -1635,3343 -1628,3336 -1628,3239 -1637,3230 -1705,3230 -1722.35,3212.65 -1722.35,3156.35 -1698,3132
  region net NetC68_1: -1041.96,2787.05 -1041.96,2914.96 -1068,2941 -1068,2990 -986,2990 -970,2974 -970,2815.75 -998.7,2787.05
  region net 3.3V: -1557,2568.07 -1590,2601.07 -1590,2664 -1402.86,2664 -1333.93,2595.07 -1105.32,2595.07 -1080.6,2619.8 -1080.6,2701.32 -1080.28,2701.64 -1079.84,2701.2 -1012.29,2701.2 -1012.29,2473.83 -1028.21,2457.91 -1313.52,2457.91 -1379.77,2524.16 -1477.34,2524.16 -1493.47,2508.04 -1493.47,2493.77 -1501.73,2485.5 -1542.54,2485.5 -1557,2499.96
  region net +5V: -1804,2962 -1804,2604.41 -1841.41,2567 -1886.93,2567 -1860.93,2593 -1863,2595.07 -1863,3029.01 -1846.83,3045.18 -1804,3045.18
  region net +5V: -1505,2002 -1538,2035 -1538,2166 -1584,2212 -1774.47,2212 -1860.93,2298.47 -1860.93,2503.07 -1847,2517 -1743,2517 -1730,2504 -1730,2489 -1723,2482 -1690,2482 -1677.59,2494.41 -1677.59,2642.64 -1704.55,2669.6 -1815.4,2669.6 -1915,2570 -1915,2242 -1821,2148 -1651,2148 -1603,2100 -1603,1999.42 -1534.58,1931 -1493.47,1931
  region net NetC8_2: -1632.08,1974 -1632.08,1924.36 -1612.22,1904.5 -1538,1904.5 -1538,1783 -1576,1745 -1799,1745 -1805.79,1751.79 -1805.79,1870.21 -1792,1884 -1707,1884 -1690,1901 -1690,1974
  region net +5V: -1405,1842 -1405,1910.62 -1384.62,1931 -1252.26,1931 -1245.43,1937.84 -1245.43,1979.43 -1268,2002 -1505,2002 -1510,1997 -1510,1947.53 -1493.47,1931 -1459.4,1931 -1448,1919.6 -1448,1873.17
  region net VIN: -1405,681 -1405,286.75 -1483.69,208.06 -1665.06,208.06 -1701,244 -1701,435 -1678,458 -1520,458 -1461,517 -1461,687
  region net BAT_GND: 1806,638 1806,849 1753,902 1550,902 1535,887 1535,783 1569,749 1623,749 1650.04,721.96 1650.04,634.83 1679.87,605 1790.47,605 1805.87,620.4
  region net NetQ1_5: 1664.47,1339 1664.47,937 1487,937 1487,1339
  region net NetD23_1: 542.73,407 694.73,407 757.73,407 815.73,407 815.73,565 895.48,565 898.37,562.11 898.37,315 542.73,315
  region net NetD12_1: -800,407 -648,407 -585,407 -527,407 -527,565 -447.25,565 -444.36,562.11 -444.36,315 -800,315

## Silkscreen, mask and mechanical layers (free items; w line width, h text height)
Top Overlay:
  drawing of 2561 lines, arcs and shapes, not listed
  text "WJ-design" at -69.48,176.99 h40
Bottom Solder:
  region: -1769,737 -1777.2,745.2 -1882.8,745.2 -1901,727 -1901,484 -1879,462 -1774,462 -1725.92,510.08 -1646.92,510.08 -1618,539 -1618,590 -1628,600 -1751,600 -1769,618
  region: 1395.83,3599.87 1607.83,3599.87 1607.83,3494.87 1395.83,3494.87
  region: -1562,3601 -1350,3601 -1350,3496 -1562,3496
Mechanical 1:
  lines w10: -379.46,3408.75 -379.46,3347.46 ccw(c-316.96,3349.96) -311.53,3287.65 ; -316.96,3287.46 ccw(c-315.71,3348.71) -254.46,3347.46 ; -254.64,3347.64 -254.64,3411.43 -254.64,3526.43 ccw(c-315.89,3525.18) -317.14,3586.43 ccw(c-318.39,3525.18) -379.64,3526.43 -379.64,3411.43 ; 317.54,3525.18 317.54,3410.18 ; 317.54,3527.68 cw(c378.79,3526.43) 380.04,3587.68 cw(c381.29,3526.43) 442.54,3527.68 442.54,3412.68 442.54,3348.89 442.72,3348.71 cw(c381.47,3349.96) 380.22,3288.71 ; 317.72,3410 317.72,3348.71 ccw(c380.22,3351.21) 385.65,3288.9 ; -1881.28,-124.96 ccw(c-1820.03,-126.21) -1821.28,-187.46 ; -1881.28,-124.96 cw(c-1820.03,-123.71) -1821.28,-62.46 ; -1881.28,-124.96 cw(c-1820.03,-123.71) -1821.28,-62.46 ; -1881.28,-124.96 ccw(c-1820.03,-126.21) -1821.28,-187.46 ; -1821.28,-187.46 -1706.28,-187.46 ; -1821.28,-62.46 -1706.28,-62.46 -1636.28,-62.46 ; -1706.28,-187.46 -1706.28,-187.46 ; -1706.28,-187.46 -1636.28,-187.46 ; -1706.28,-187.46 -1706.28,-187.46 ; -1636.28,-187.46 ccw(c-1638.78,-124.96) -1576.28,-122.46 cw(c-1638.78,-124.96) -1636.28,-187.46 ; -1636.28,-62.46 cw(c-1637.53,-123.71) -1576.28,-124.96 ccw(c-1637.53,-123.71) -1636.28,-62.46 ; -379.64,3411.43 -379.64,3411.43 ; 317.54,3410.18 317.54,3410.18 ; 1695,-186.89 cw(c1696.25,-125.64) 1635,-124.39 ccw(c1696.25,-125.64) 1695,-186.89 ; 1695,-186.89 1765,-186.89 1880,-186.89 ccw(c1878.75,-125.64) 1940,-124.39 ccw(c1878.75,-123.14) 1880,-61.89 1765,-61.89 ; 1695,-61.89 ccw(c1697.5,-124.39) 1635,-126.89 cw(c1697.5,-124.39) 1695,-61.89 ; 1695,-61.89 1765,-61.89 ; 1765,-61.89 1765,-61.89 ; -379.64,3408.93 -379.64,3408.93 ; 317.54,3412.68 317.54,3412.68

## Text inside footprints (layer, text, board x,y; h text height)
JP5: Top Overlay "2" at -435,-31 h40; Top Overlay "1" at -425,-131 h40; Top Overlay "9" at 437,-139 h40; Top Overlay "10" at 437,-39 h40
JP8: Top Overlay "5" at -1531,17.17 h40 r180; Top Overlay "6" at -1531,-82.83 h40 r180; Top Overlay "2" at -859,-90.83 h40 r180; Top Overlay "1" at -869,9.17 h40 r180
JP9: Top Overlay "5" at 954,17.17 h40 r180; Top Overlay "6" at 954,-82.83 h40 r180; Top Overlay "2" at 1626,-90.83 h40 r180; Top Overlay "1" at 1616,9.17 h40 r180
SW2: Top Overlay "ON" at -1068.42,2036.37 h40 r90